# Altium PCB FD-KL-ASM-SUB-PCBA-MAIN.PcbDoc (part 2 of 4)
Units mm, origin at the board's own origin, x right, y up, seen from the top; angles counter-clockwise.
Board outline 32.6 x 105.94 mm, 4 copper layers (L1, L2, L3, L4), stack 1.514 mm thick; 339 components, 165 nets, 967 pads, 530 vias.
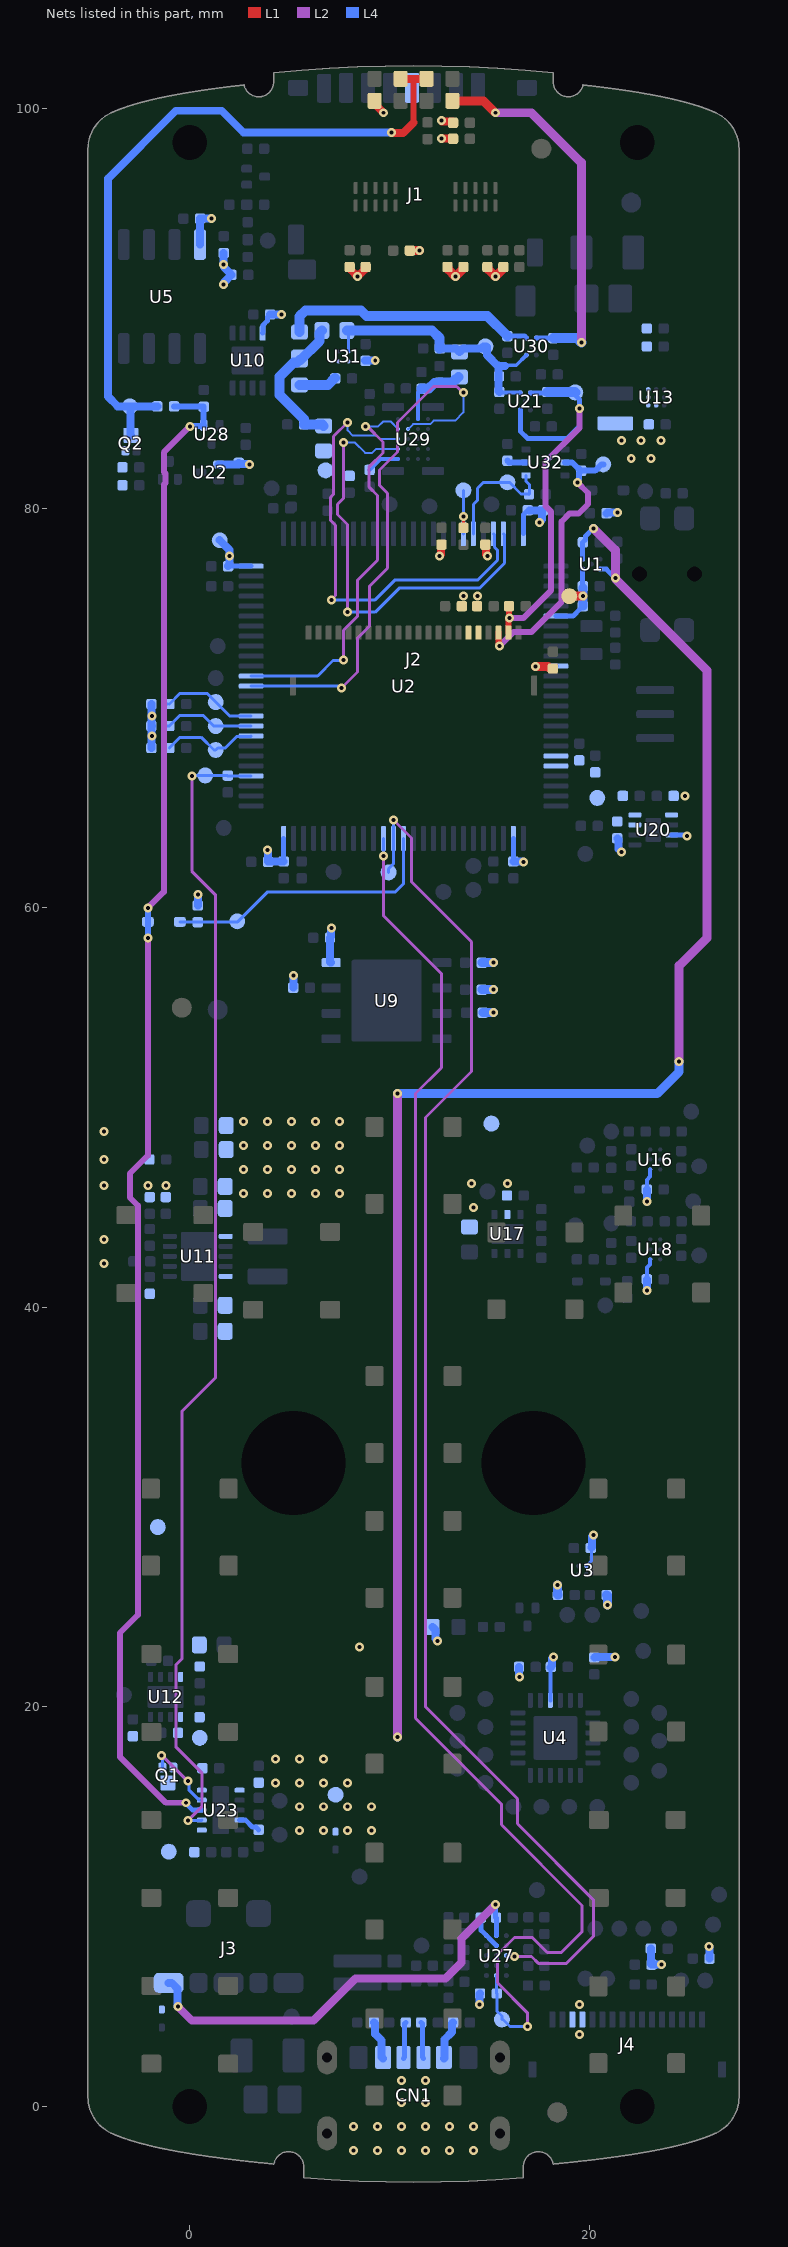
[diagram p4: the nets of this part, all layers, seen from the top]

## Part data
C2 C34: library part CMP-CAP-00023-2, "10000pF ±10% 50V Ceramic Capacitor X7R 0402 (1005 Metric)", Capacitance=10nF, Case/Package=0402, Dielectric=X7R, Dielectric Material=Ceramic, Max Operating Temperature=125°C, Min Operating Temperature=-55°C, Tolerance=10%, Voltage=50V, Contact Plating=Tin,Matte, Depth=0.5mm, Height=0.5mm, Length=1mm, Mount="Surface Mount", Packaging="Tape and Reel", Radiation Hardening=No, Termination=SMD/SMT, Voltage Rating=50V
C3 C5 C6 C7 C8 C9 C10 C11 C12 C14 C15 C18 C20 C21 C22 C23 C25 C26 C28 C29 C33 C37 C38 C39 C43 C48 C52 C56 C60 C61 C62 C65 C66 C67 C68 C69 C72 C73 C76 C77 C79 C80 C82 C87: library part CMP-CAP-00002-2, "0.1µF ±10% 16V Ceramic Capacitor X7R 0402 (1005 Metric)", Capacitance=100nF, Case Code (Imperial)=0402, Case Code (Metric)=1005, Dielectric=X7R, Dielectric Material=Ceramic, Insulation Resistance=10GR, Max Operating Temperature=125°C, Min Operating Temperature=-55°C, Package Quantity=1, Tolerance=10%, Voltage=16V, Case/Package=0402, Depth=0.5mm, Height=0.5mm, Lead Free="Lead Free", Length=1mm, Material=Ceramic, Mount="Surface Mount", Number of Pins=2, Packaging="Tape and Reel", Radiation Hardening=No, REACH SVHC="No SVHC", Termination=SMD/SMT, Thickness=0.022inch, Voltage Rating=16V, Voltage Rating (DC)=16V, Width=0.5mm
C4 C13 C40 C50 C58 C83: library part CMP-CAP-00042-1, "2.2µF ±10% 6.3V Ceramic Capacitor X5R 0402 (1005 Metric)", Capacitance=2.2uF, Case Code (Imperial)=0402, Case Code (Metric)=1005, Dielectric=X5R, Max Operating Temperature=85°C, Min Operating Temperature=-55°C, Package Quantity=1, Tolerance=10%, Voltage Rating=6.3V, Case/Package=0402, Contact Plating=Tin,Matte, Depth=0.5mm, Lead Free="Lead Free", Length=1mm, Mount="Surface Mount", Number of Pins=2, Packaging="Tape and Reel", Radiation Hardening=No, REACH SVHC="No SVHC", Termination=SMD/SMT, Thickness=0.022inch, Voltage Rating (DC)=6.3V, Width=0.02inch
C16 C35 C36 C70 C71 C74 C75 C81 C89: library part CMP-CAP-00038-1, "4.7µF ±20% 10V Ceramic Capacitor X5R 0402 (1005 Metric)", Capacitance=4.7uF, Case Code (Imperial)=0402, Case Code (Metric)=1005, Dielectric=X5R, Dielectric Material=Ceramic, Max Operating Temperature=85°C, Min Operating Temperature=-55°C, Package Quantity=1, Tolerance=20%, Voltage=10V, Case/Package=0402, Composition=Ceramic, Depth=0.5mm, Height=0.5mm, Lead Free="Lead Free", Length=1mm, Mount="Surface Mount", Packaging="Tape and Reel", Radiation Hardening=No, REACH SVHC="No SVHC", Termination=SMD/SMT, Thickness=500um, Voltage Rating=10V, Voltage Rating (DC)=10V, Weight=2.3E-05oz, Width=0.02inch
C17 C57: library part CMP-CAP-00004-1, "1000pF ±10% 1000V (1kV) Ceramic Capacitor X7R 0805 (2012 Metric)", Capacitance=1nF, Case Code (Imperial)=0805, Case Code (Metric)=2012, Dielectric=X7R, Dielectric Material=Ceramic, Insulation Resistance=100GR, Max Operating Temperature=125°C, Min Operating Temperature=-55°C, Package Quantity=4000, Tolerance=10%, Voltage Rating=1kV, Case/Package=0805, Contact Plating=Nickel,Tin,Matte, Depth=1.25mm, Dissipation Factor=10%, Height=1.3mm, Lead Free="Lead Free", Length=2.01mm, Mount="Surface Mount", Number of Pins=2, Packaging="Tape and Reel", REACH SVHC="No SVHC", Termination=SMD/SMT, Thickness=0.051inch, Voltage Rating (DC)=1kV, Width=1.25mm
C19 C24 C27 C78: library part CMP-CAP-00029-2, "22µF ±20% 6.3V Ceramic Capacitor X5R 0603 (1608 Metric)", Capacitance=22uF, Case Code (Imperial)=0603, Case Code (Metric)=1608, Dielectric=X5R, Dielectric Material=Ceramic, Max Operating Temperature=85°C, Min Operating Temperature=-55°C, Package Quantity=1, Tolerance=20%, Voltage=6.3V, Case/Package=0603, Composition=Ceramic, Depth=0.8mm, Height=0.8mm, Lead Free="Lead Free", Length=1.6mm, Mount="Surface Mount", Packaging="Tape and Reel", REACH SVHC="No SVHC", Termination=SMD/SMT, Thickness=0.039inch, Voltage Rating=6.3V, Voltage Rating (DC)=6.3V, Weight=7.1E-05oz, Width=0.031inch
C30 C31 C32: library part CMP-CAP-00044-1, "10µF ±20% 6.3V Ceramic Capacitor X5R 0603 (1608 Metric)", Capacitance=10uF, Case Code (Imperial)=0603, Case Code (Metric)=1608, Dielectric=X5R, Max Operating Temperature=85°C, Min Operating Temperature=-55°C, Package Quantity=4000, Tolerance=20%, Voltage=6.3V, Case/Package=0603, Depth=0.8mm, Height=0.8mm, Lead Free="Lead Free", Length=1.6mm, Material=Ceramic, Mount="Surface Mount", Packaging="Tape and Reel", Radiation Hardening=No, REACH SVHC="No SVHC", Termination=SMD/SMT, Thickness=0.035inch, Voltage Rating=6.3V, Voltage Rating (DC)=6.3V, Width=0.031inch
C41 C46 C51: library part CMP-CAP-00034-1, "1500pF ±10% 50V Ceramic Capacitor X7R 0402 (1005 Metric)", Capacitance=1.5nF, Case Code (Imperial)=0402, Case Code (Metric)=1005, Dielectric=X7R, Max Operating Temperature=125°C, Min Operating Temperature=-55°C, Package Quantity=1, Tolerance=10%, Voltage=50V, Case/Package=0402, Contact Plating=Tin, Depth=0.5mm, Height=0.5mm, Length=1mm, Material=Ceramic, Mount="Surface Mount", Packaging="Tape and Reel", Radiation Hardening=No, Thickness=0.022inch, Voltage Rating=50V, Width=0.02inch
C42 C47: library part CMP-CAP-00035-1, "220pF ±5% 50V Ceramic Capacitor C0G, NP0 0402 (1005 Metric)", Capacitance=220pF, Case Code (Imperial)=0402, Case Code (Metric)=1005, Dielectric=C0G, Max Operating Temperature=125°C, Min Operating Temperature=-55°C, Package Quantity=1, Ratings=AEC-Q200, Temperature Coefficient=30ppm/°C, Tolerance=5%, Voltage=50V, Case/Package=0402, Depth=0.5mm, Height=0.5mm, Lead Free="Lead Free", Length=1mm, Mount="Surface Mount", Packaging="Tape and Reel", Radiation Hardening=No, REACH SVHC="No SVHC", Termination=SMD/SMT, Thickness=0.022inch, Voltage Rating=50V, Voltage Rating (DC)=50V, Width=0.02inch
C44 C45 C59 C63 C86: library part CMP-CAP-00053-2, "1uF ±10% 25V Ceramic Capacitor X5R 0402 (1005 Metric)", Capacitance=1uF, Capacitor Type=Ceramic, Max Operating Temperature=85°C, Min Operating Temperature=-55°C, Negative Tolerance=10%, Package Shape=Rectangular, Package Style=SMTMeter, Rated DC Voltage (URdc)=25V, Temperature Characteristics Code=X5R, Dielectric Material=Ceramic, Height=0.6mm, JESD-609 Code=e3, Length=1mm, Mount="Surface Mount", Multilayer=Yes, Number of Terminals/Pins=2, Packaging="Tape and Reel", Positive Tolerance=10%, Size Code=0402, Terminal Finish=Nickel, Termination=Wraparound, Width=0.5mm
C49 C54 C55: library part CMP-CAP-00048-1, "1.5pF ±0.25pF 50V Ceramic Capacitor C0G, NP0 0402 (1005 Metric)", Capacitance=1.5pF, Case Code (Imperial)=0402, Case Code (Metric)=1005, Dielectric=C0G, Max Operating Temperature=125°C, Min Operating Temperature=-55°C, Package Quantity=1, Tolerance=20%, Voltage=50V, Case/Package=0402, Depth=0.5mm, Height=0.5mm, Lead Free="Lead Free", Length=1mm, Mount="Surface Mount", Packaging="Tape and Reel", Radiation Hardening=No, Termination=SMD/SMT, Thickness=0.022inch, Voltage Rating=50V, Voltage Rating (DC)=50V, Width=0.02inch
C53 C84 C88: library part CMP-CAP-00056-1, "0.047µF ±10% 10V Ceramic Capacitor X7R 0402 (1005 Metric)", Capacitance=47nF, Capacitor Type=Ceramic, Max Operating Temperature=125°C, Min Operating Temperature=-55°C, Negative Tolerance=10%, Package Shape=Rectangular, Package Style=SMTMeter, Rated DC Voltage (URdc)=10V, Temperature Characteristics Code=X7R, Dielectric Material=Ceramic, Height=0.5mm, JESD-609 Code=e3, Length=1mm, Mount="Surface Mount", Multilayer=Yes, Number of Terminals/Pins=2, Packaging="Tape and Reel", Positive Tolerance=10%, Size Code=0402, Terminal Finish=Nickel, Termination=Wraparound, Width=0.5mm
C64: library part CMP-CAP-00072-1, "0.033µF ±10% 25V Ceramic Capacitor X7R 0402 (1005 Metric)", Capacitance=33nF, Capacitor Type=Ceramic, Manufacturer Series=C0402C333K3RACTU, Max Operating Temperature=125°C, Min Operating Temperature=-55°C, Negative Tolerance=10%, Package Shape=Rectangular, Package Style=SMTMeter, Rated DC Voltage (URdc)=25V, Temperature Characteristics Code=X7R, Dielectric Material=Ceramic, Height=0.5mm, JESD-609 Code=e3, Length=1mm, Mount="Surface Mount", Multilayer=Yes, Number of Terminals/Pins=2, Packaging="Tape and Reel", Positive Tolerance=10%, REACH SVHC=Yes, RoHS Compliant=Yes, Series=C(SIZE)C(X7R), Size Code=0402, Terminal Finish=Nickel, Termination=Wraparound, Width=0.5mm
C85: library part CMP-CAP-00007-2, "10µF ±20% 10V Ceramic Capacitor X5R 0402 (1005 Metric)", Capacitance=10uF, Case Code (Imperial)=0402, Case Code (Metric)=1005, Dielectric=X5R, Max Operating Temperature=85°C, Min Operating Temperature=-55°C, Package Quantity=1, Tolerance=20%, Voltage Rating=10V, Case/Package=0402, Contact Plating=Tin, Depth=0.5mm, Lead Free="Lead Free", Length=1mm, Mount="Surface Mount", Packaging="Tape and Reel", Radiation Hardening=No, Termination=Wraparound, Thickness=0.028inch, Width=0.02inch
CN1: library part CMP-CON-0075-1, "USB-C (USB TYPE-C) - Receptacle Connector 24 (6+18 Dummy) Position Surface Mount, Right Angle; Through Hole", ComponentLink1Description=Datasheet, ComponentLink1URL=https://www.cuidevices.com/product/resource/ujc-hp-3-smt-tr.pdf
D1 D4: library part CMP-DIO-0007-1, "Diode Schottky 30V 30mA (DC) Surface Mount SOD-523", Average Rectified Current=30mA, Capacitance=2.5pF, Case/Package=SOD-523-2, Forward Voltage=370mV, Max Forward Surge Current (Ifsm)=500mA, Max Operating Temperature=150°C, Max Repetitive Reverse Voltage (Vrrm)=40V, Max Reverse Leakage Current=500nA, Max Reverse Voltage (DC)=30V, Min Operating Temperature=-55°C, Package Quantity=1, Power Dissipation=200mW, ComponentLink1Description=Datasheet, ComponentLink1URL=https://www.onsemi.cn/PowerSolutions/document/RB751S40T1-D.PDF, Contact Plating=Tin,Matte, Current Rating=30mA, Element Configuration=Single, Forward Current=30mA, Height=0.7mm, Lead Free="Lead Free", Length=1.3mm, Max Surge Current=500mA, Number of Pins=2, Output Current=30mA, Packaging="Tape and Reel", Peak Non-Repetitive Surge Current=500mA, Peak Reverse Current=500nA, Polarity=Standard, Radiation Hardening=No, REACH SVHC="No SVHC", Voltage Rating (DC)=40V, Width=0.9mm
D2 D3: library part CMP-DIO-0004-4, "Zener Diode 15V 350mW ±2% Surface Mount SOD-523", Case/Package=SOD-523-2, Forward Voltage=900mV, Max Operating Temperature=150°C, Max Power Dissipation=350mW, Max Reverse Leakage Current=50nA, Min Operating Temperature=-65°C, Package Quantity=3000, Test Current=5mA, Tolerance=2%, Zener Voltage=15V, Contact Plating=Tin,Matte, Element Configuration=Single, ESD Protection=No, Impedance=15R, Mount="Surface Mount", Number of Pins=2, Packaging="Tape and Reel", Peak Reverse Current=50nA, Voltage Tolerance=2%, Weight=3.5E-05oz, Zener Current=5mA
D5 D6: library part CMP-DIO-0013-1, "12V Clamp 9A (8/20µs) Ipp Tvs Diode Surface Mount SOD-923", Max Operating Temperature=150°C, Max Power Dissipation=250mW, Min Breakdown Voltage=6.2V, Min Operating Temperature=-65°C, Non-rep Peak Rev Power Dis-Max=108W, Package Body Material=Plastic, Package Shape=Rectangular, Package Style="SMALL OUTLINEMeter", Rep Pk Reverse Voltage-Max=5.5V, ComponentLink1Description=Datasheet, ComponentLink1URL=https://www.diodes.com/assets/Datasheets/D5V0M1U2S9.pdf, Diode Element Material=SILICON, Diode Type="TRANS VOLTAGE SUPPRESSOR", JESD-30 Code=R-PDSO-F2, Number of Elements=1, Number of Terminals/Pins=2, Polarity=Unidirectional, REACH SVHC=Yes, RoHS Compliant=Yes, Surface Mount=Yes, Technology=AVALANCHE, Terminal Form=Flat, Terminal Position=DUAL
FID1 FID2 FID3 FID4 FID5 FID6: library part CMP-MECH-00000-3, "Fiducial - Round 1x2mm", Pins=0
J1: library part CMP-CON-0078-2, "10 (8 + 2) Position Card Connector Secure Digital - microSD™ Surface Mount, Right Angle Gold", ComponentLink1Description=Drawing, ComponentLink1URL=https://media.digikey.com/pdf/Data%20Sheets/Amphenol%20PDFs/114-00841-68.pdf
J2: library part CMP-CON-0074-1, "22 Position FFC, FPC Connector Contacts, Top and Bottom 0.020\" (0.50mm) Surface Mount, Right Angle", Insulation Color=White, Max Operating Temperature=85°C, Min Operating Temperature=-40°C, Rated Current (Signal)=500mA, Body Breadth=0.039inch, Body Depth=0.142inch, Body Length=0.5inch, Connector Type="CARD EDGE CONNECTOR", Contact Finish - Mating="NOT SPECIFIED", Contact Pattern=RECTANGULAR, Contact Style="BELLOWED TYPE", Insulation Material=Polymer, Mating Contact Pitch=0.02inch, Mount=Board, Mounting Option 1=LOCKING, Mounting Style="RIGHT ANGLE", Number of Contacts=22, Number Of PCB Rows=1, Number of Rows Loaded=1, PCB Contact Pattern=RECTANGULAR, Plating Thickness=39uin, REACH SVHC=Yes, Reliability=COMMERCIAL, RoHS Compliant=Yes, Terminal Pitch=0.508mm, Termination=SMD/SMT
J3: library part CMP-CON-0077-1, "3 Position Spring Battery Contact Connector Surface Mount, Right Angle", Manufacturer Series=9155, ComponentLink1Description=Datasheet, ComponentLink1URL=https://datasheets.avx.com/RightAngle3.0mmPictch_9155-300.pdf, Connector Type=PCB, Contact Finish - Mating="GOLD (16)", Contact Finish - Termination="PURE TIN", DIN Conformance=No, IEC Conformance=No, JESD-609 Code=e3, MIL Conformance=No, Option="General Purpose", REACH SVHC=Yes, RoHS Compliant=Yes
J4: library part CMP-CON-0062-2, "16 Position FFC, FPC Connector Contacts, Top and Bottom 0.020\" (0.50mm) Surface Mount, Right Angle", Manufacturer Series=FH34SRJ, Connector Type="CARD EDGE CONNECTOR", REACH SVHC=Yes, RoHS Compliant=Yes
L1: library part CMP-IND-0022-1, "1.5 µH Shielded Wirewound Inductor 2.4 A 78mOhm Max 1008 (2520 Metric)", Inductor Type="GENERAL PURPOSE INDUCTOR", REACH SVHC="No SVHC", RoHS Compliant=Yes
L2: library part CMP-IND-0023-1, "1 µH Shielded Wirewound Inductor 2.2 A 75mOhm Max 0806 (2016 Metric)", Case/Size Code=0806, DC Resistance (DCR)=75mR, Inductance-Nom (L)=1uH, Inductor Type="GENERAL PURPOSE INDUCTOR", Max Operating Temperature=105°C, Min Operating Temperature=-40°C, Package Height=1mm, Package Length=2mm, Package Style=SMTMeter, Package Width=1.6mm, Rated Current-Max=2.2A, Tolerance=20%, Construction="Wirewound Chip", Core Material=Metal, Packaging="Tape and Reel", REACH SVHC=Yes, RoHS Compliant=Yes
L4: library part CMP-IND-0005-1, "22µH Shielded Multilayer Inductor 150mA 2.4Ohm 0603 (1608 Metric)", Case/Package=0603, Current Rating=150mA, DC Resistance (DCR)=3.12R, Inductance=22uH, Max Operating Temperature=125°C, Min Operating Temperature=-55°C, Saturation Current=55mA, Test Frequency=2MHz, Tolerance=20%, Core Material=Ferrite, Height - Seated (Max)=0.037inch, Length=0.063inch, Mount="Surface Mount", Packaging="Tape and Reel", Shielding=Shielded, Width=0.031inch
L5 L6: library part CMP-FLT-0001-1, "FERRITE BEAD 220 OHM 0603 1LN", Case Code (Imperial)=0603, Case Code (Metric)=1608, Current Rating=1.4A, DC Resistance (DCR)=100mR, Max Operating Temperature=125°C, Min Operating Temperature=-55°C, Package Quantity=4000, Ratings=AEC-Q200, Test Frequency=100MHz, Tolerance=25%, Case/Package=0603, ComponentLink1Description=Datasheet, ComponentLink1URL=https://www.murata.com/en-us/products/productdata/8796737273886/QNFA9101.pdf, Core Material=Ferrite, Depth=0.95mm, Height=0.037inch, Impedance=220R, Lead Free="Lead Free", Length=0.063inch, Max Current Rating=1.4A, Max DC Current=1.4A, Mount="Surface Mount", Number of Circuits=1, Number of Lines=1, Packaging="Tape and Reel", REACH SVHC="No SVHC", Termination=SMD/SMT, Width=0.8mm
LED1: library part CMP-007-00039-8, "Red 631nm LED Indication - Discrete 2V 0603 (1608 Metric)", Case Code (Imperial)=0603, Case Code (Metric)=1608, Color=Red, Forward Current=30mA, Forward Voltage=2V, Lens Color=Colorless, Max Operating Temperature=85°C, Min Operating Temperature=-55°C, Package Quantity=1, Power Dissipation=75mW, Reverse Voltage=5V, Test Current=20mA, Case/Package=0603, Depth=0.8mm, Dominant Wavelength=631nm, Height=0.55mm, Illumination Color=Red, Lead Free="Lead Free", Length=1.6mm, Lens Style=Clear,Diffused,Colorless,Rectangular, Lens Transparency=Clear, Luminous Intensity=54mcd, Mount="Surface Mount", Number of Elements=1, Number of LEDs=1, Number of Pins=2, Packaging="Tape and Reel", Power Rating=75mW, Radiation Hardening=No, Viewing Angle=130°, Voltage=2V, Wavelength=639nm, Width=0.8mm
LED2: library part CMP-007-00045-4, "Blue 466nm LED Indication - Discrete 2.8V 2-SMD 0603"
LED8 LED9: library part CMP-007-00047-1, "Amber 605nm LED Indication - Discrete 1.9V 0603 (1608 Metric)", Colour=Amber, Forward Voltage=1.9V, ComponentLink1Description=Datasheet, ComponentLink1URL=http://www.inolux-corp.com/datasheet/SMDLED/Mono%20Color%20Top%20View/IN-S63AT%20Series_V1.1.pdf
LED10: library part CMP-007-00044-5, "White - LED Indication - Discrete 3V 0603 (1608 Metric)", Case Code (Imperial)=0603, Case Code (Metric)=1608, Color=White, Forward Voltage=3V, Lens Color=Clear, Test Current=5mA, Case/Package=0603, ComponentLink1Description=Datasheet, ComponentLink1URL=http://www.inolux-corp.com/datasheet/SMDLED/Mono%20Color%20Top%20View/IN-S63AT%20Series_V1.1.pdf, Height=0.4mm, Length=1.6mm, Lens Size=0.8mm, Lens Style=Flat, Lens Transparency=Clear, Luminous Intensity=900mcd, Mount="Surface Mount", Packaging="Tape and Reel", Viewing Angle=120°, Width=0.8mm
Q1 Q2: library part CMP-TRNST-0008-1, "P-Channel 20 V 1.5A (Ta) 500mW (Ta) Surface Mount 3-DFN1411 (1.4x1.1)", Case Connection=DRAIN, Drain Current-Max (Abs) (ID)=1.5A, Drain-source On Resistance-Max=150mR, DS Breakdown Voltage-Min=20V, Max Operating Temperature=150°C, Operating Mode="ENHANCEMENT MODE", Package Body Material=Plastic, Package Shape=Rectangular, Package Style="CHIP CARRIERMeter", Peak Reflow Temperature (Cel)=260°C, Power Dissipation-Max (Abs)=500mW, Time @ Peak Reflow Temperature-Max (s)=40s, Additional Feature="HIGH RELIABILITY", ComponentLink1Description=Datasheet, ComponentLink1URL=https://www.diodes.com/assets/Datasheets/ds31091.pdf, Drain Current-Max (ID)=1.5A, FET Technology="METAL-OXIDE SEMICONDUCTOR", JESD-609 Code=e4, Moisture Sensitivity Level=1, Number of Elements=1, Number of Terminals/Pins=3, Polarity/Channel Type=P-CHANNEL, Qualification Status="Not Qualified", REACH SVHC=Yes, RoHS Compliant=Yes, Surface Mount=Yes, Terminal Finish=Nickel, Terminal Form="No Lead", Terminal Position=BOTTOM, Transistor Application=SWITCHING, Transistor Element Material=SILICON
R2 R3 R16 R17 R18 R19 R20 R21 R22 R33 R37 R46 R51 R58 R63 R64 R67 R68 R70 R82: library part CMP-RES-00006-3, "10 kOhms ±1% 0.063W, 1/16W Chip Resistor 0402 (1005 Metric)", Case Code (Imperial)=0402, Case Code (Metric)=1005, Max Operating Temperature=155°C, Max Power Dissipation=63mW, Min Operating Temperature=-55°C, Package Quantity=10, Resistance=10k, Temperature Coefficient=100ppm/°C, Tolerance=1%, Voltage Rating=50V, Case/Package=0402, Composition="Thick Film", Contact Plating=Tin, Depth=0.5mm, Features="Automotive AEC-Q200", Height=0.35mm, Lead Free="Lead Free", Length=1mm, Military Standard=Not, Mount="Surface Mount", Number of Pins=2, Number of Terminations=2, Packaging="Tape and Reel", Power Rating=63mW, Radiation Hardening=No, REACH SVHC=Unknown, Termination=SMD/SMT, Voltage Rating (DC)=50V, Weight=2.3E-05oz, Width=0.02inch
R4 R30 R38 R39 R40 R42 R47 R56 R65 R69 R90 R91: library part CMP-RES-00003-3, "100 kOhms ±1% 0.063W, 1/16W Chip Resistor 0402 (1005 Metric) Automotive AEC-Q200 Thick Film", Case Code (Imperial)=0402, Case Code (Metric)=1005, Max Operating Temperature=155°C, Max Power Dissipation=63mW, Min Operating Temperature=-55°C, Package Quantity=10000, Resistance=100k, Temperature Coefficient=100ppm/°C, Tolerance=1%, Voltage Rating=50V, Case/Package=0402, Composition="Thick Film", Contact Plating=Tin, Depth=0.5mm, Features="Automotive AEC-Q200", Height=0.35mm, Lead Free="Lead Free", Length=1mm, Military Standard=Not, Mount="Surface Mount", Number of Pins=2, Number of Terminations=2, Packaging="Tape and Reel", Power Rating=63mW, Radiation Hardening=No, REACH SVHC=Unknown, Termination=SMD/SMT, Voltage Rating (DC)=50V, Weight=2.3E-05oz, Width=0.02inch
R5 R41 R74: library part CMP-RES-00085-1, "15 Ohms ±1% 0.063W, 1/16W Chip Resistor 0402 (1005 Metric)", Case/Package=0402, Power=63mW, Resistance=15, Resistor Type="FIXED RESISTOR", Tolerance=1%, Voltage Rating=50V, Number of Terminals/Pins=2, REACH SVHC=Yes, RoHS Compliant=Yes
R6 R25 R32 R52: library part CMP-RES-00073-1, "21.5 kOhms ±1% 0.063W, 1/16W Chip Resistor 0402 (1005 Metric)", Max Operating Temperature=155°C, Min Operating Temperature=-55°C, Package Height=0.35mm, Package Length=1mm, Package Shape=Rectangular, Package Style=SMTMeter, Package Width=0.5mm, Rated Power Dissipation (P)=63mW, Rated Temperature=70°C, Resistance=21.5k, Resistor Type="FIXED RESISTOR", Temperature Coefficient=100ppm/°C, Tolerance=1%, Voltage Rating=50V, Construction=Chip, JESD-609 Code=e3, Mount="Surface Mount", Number of Terminals/Pins=2, Packaging="Tape and Reel", Reference Standard=AEC-Q200, Size Code=0402, Technology="METAL GLAZE/THICK FILM", Terminal Finish=Nickel, Termination=Wraparound, Working Voltage=50V
R7 R12 R13 R14 R15 R26 R35 R36 R55 R59 R60 R66: library part CMP-RES-00002-3, "4.7 kOhms ±1% 0.063W, 1/16W Chip Resistor 0402 (1005 Metric) Automotive AEC-Q200 Thick Film", Case Code (Imperial)=0402, Case Code (Metric)=1005, Max Operating Temperature=155°C, Max Power Dissipation=63mW, Min Operating Temperature=-55°C, Package Quantity=10, Resistance=4.7k, Temperature Coefficient=100ppm/°C, Tolerance=1%, Voltage Rating=50V, Case/Package=0402, Composition="Thick Film", Contact Plating=Tin, Depth=0.5mm, Features="Automotive AEC-Q200", Height=0.35mm, Lead Free="Lead Free", Length=1mm, Military Standard=Not, Mount="Surface Mount", Number of Terminations=2, Packaging="Tape and Reel", Power Rating=63mW, Radiation Hardening=No, REACH SVHC=Unknown, Termination=SMD/SMT, Voltage Rating (DC)=50V, Weight=2.3E-05oz, Width=0.5mm
R8 R24: library part CMP-RES-00004-3, "1 MOhms ±5% 0.25W, 1/4W Chip Resistor 1206 (3216 Metric) Moisture Resistant Thick Film", Case Code (Imperial)=1206, Case Code (Metric)=3216, Max Operating Temperature=155°C, Min Operating Temperature=-55°C, Package Quantity=5000, Power Rating=250mW, Resistance=1M, Temperature Coefficient=200ppm/°C, Tolerance=5%, Voltage Rating=200V, Case/Package=1206, Composition="Thick Film", Contact Plating=Tin, Depth=1.6mm, Height=0.6mm, Length=3.2mm, Military Standard=Not, Mount="Surface Mount", Packaging="Tape and Reel", Radiation Hardening=No, REACH SVHC="No SVHC", Termination=SMD/SMT, Thickness=610um, Voltage Rating (DC)=200V, Width=1.6mm
R9 R53 R54 R57 R61 R62 R73 R75: library part CMP-RES-00014-4, "0 Ohms Jumper 0.063W, 1/16W Chip Resistor 0402 (1005 Metric)", Case Code (Imperial)=0402, Case Code (Metric)=1005, Max Operating Temperature=155°C, Max Power Dissipation=63mW, Min Operating Temperature=-55°C, Package Quantity=1, Power Rating=62.5mW, Resistance=0, Temperature Coefficient=200ppm/°C, Tolerance=5%, Voltage Rating=50V, Case/Package=0402, Composition="Thick Film", Contact Plating=Tin,Matte, Depth=0.5mm, Features="Moisture Resistant", Height=0.016inch, Lead Free="Lead Free", Length=1mm, Military Standard=Not, Number of Terminations=2, Packaging="Tape and Reel", Radiation Hardening=No, REACH SVHC=Unknown, Termination=SMD/SMT, Width=0.02inch
R10 R11 R27 R34: library part CMP-RES-00049-1, "2.2 kOhms ±1% 0.063W, 1/16W Chip Resistor 0402 (1005 Metric)", Case Code (Imperial)=0402, Case Code (Metric)=1005, Max Operating Temperature=155°C, Min Operating Temperature=-55°C, Power Rating=63mW, Resistance=2.2k, Temperature Coefficient=100ppm/°C, Tolerance=1%, Voltage Rating=50V, Case/Package=0402, Composition="Thick Film", Depth=0.5mm, Height=0.35mm, Lead Free="Lead Free", Length=1mm, Military Standard=Not, Packaging="Tape and Reel", REACH SVHC=Unknown, Termination=SMD/SMT, Weight=2.3E-05oz, Width=0.5mm
R23 R28: library part CMP-RES-00060-1, "5.1 kOhms ±1% 0.063W, 1/16W Chip Resistor 0402 (1005 Metric)", Case Code (Imperial)=0402, Case Code (Metric)=1005, Max Operating Temperature=155°C, Max Power Dissipation=63mW, Min Operating Temperature=-55°C, Package Quantity=10, Resistance=5.1k, Temperature Coefficient=100ppm/°C, Tolerance=1%, Voltage Rating=50V, Case/Package=0402, Composition="Thick Film", Contact Plating=Tin, Depth=0.5mm, Features="Automotive AEC-Q200", Height=0.35mm, Lead Free="Lead Free", Length=1mm, Military Standard=Not, Number of Terminations=2, Packaging="Tape and Reel", Power Rating=63mW, Radiation Hardening=No, REACH SVHC=Unknown, Termination=SMD/SMT, Voltage Rating (DC)=50V, Weight=2.3E-05oz, Width=0.02inch
R29 R31 R45 R50: library part CMP-RES-00039-1, "220 kOhms ±1% 0.063W, 1/16W Chip Resistor 0402 (1005 Metric)", Case Code (Imperial)=0402, Case Code (Metric)=1005, Max Operating Temperature=155°C, Max Power Dissipation=63mW, Min Operating Temperature=-55°C, Package Quantity=10, Resistance=220k, Temperature Coefficient=100ppm/°C, Tolerance=1%, Voltage Rating=50V, Case/Package=0402, Composition="Thick Film", Contact Plating=Tin, Depth=0.5mm, Features="Automotive AEC-Q200", Height=0.35mm, Lead Free="Lead Free", Length=1mm, Military Standard=Not, Mount="Surface Mount", Number of Terminations=2, Packaging="Tape and Reel", Power Rating=63mW, Radiation Hardening=No, REACH SVHC=Unknown, Termination=SMD/SMT, Voltage Rating (DC)=50V, Weight=2.3E-05oz, Width=0.5mm
R43 R48: library part CMP-RES-00042-1, "5.1 MOhms ±1% 0.1W, 1/10W Chip Resistor 0402 (1005 Metric)", Case Code (Imperial)=0402, Case Code (Metric)=1005, Max Operating Temperature=155°C, Max Power Dissipation=63mW, Min Operating Temperature=-55°C, Resistance=5.1M, Temperature Coefficient=100ppm/°C, Tolerance=1%, Voltage Rating=50V, Case/Package=0402, Composition="Thick Film", Depth=0.5mm, Features="Automotive AEC-Q200", Height=0.016inch, Lead Free="Lead Free", Length=1mm, Military Standard=Not, Number of Terminations=2, Packaging="Tape and Reel", Power Rating=63mW, REACH SVHC=Unknown, Termination=SMD/SMT, Voltage Rating (DC)=50V, Weight=2.3E-05oz, Width=0.02inch
R44 R49: library part CMP-RES-00012-3, "470 kOhms ±1% 0.063W, 1/16W Chip Resistor 0402 (1005 Metric)", Case Code (Imperial)=0402, Case Code (Metric)=1005, Max Operating Temperature=155°C, Max Power Dissipation=63mW, Min Operating Temperature=-55°C, Package Quantity=10, Resistance=470k, Temperature Coefficient=100ppm/°C, Tolerance=1%, Voltage Rating=50V, Case/Package=0402, Composition="Thick Film", Contact Plating=Tin, Depth=0.5mm, Features="Automotive AEC-Q200", Height=0.35mm, Length=1mm, Military Standard=Not, Mount="Surface Mount", Number of Pins=2, Number of Terminations=2, Packaging="Tape and Reel", Power Rating=63mW, Radiation Hardening=No, REACH SVHC=Unknown, Termination=SMD/SMT, Weight=2.3E-05oz, Width=0.02inch
R71 R72 R79: library part CMP-RES-00053-1, "0 Ohms Jumper 0.1W, 1/10W Chip Resistor 0603 (1608 Metric)", Case Code (Imperial)=0603, Case Code (Metric)=1608, Max Operating Temperature=155°C, Min Operating Temperature=-55°C, Package Quantity=5000, Power Rating=100mW, Resistance=0, Temperature Coefficient=200ppm/°C, Tolerance=1%, Voltage Rating=50V, Case/Package=0603, Composition="Thick Film", Contact Plating=Tin,Matte, Depth=0.8mm, Height=0.45mm, Lead Free="Lead Free", Length=1.6mm, Military Standard=Not, Number of Pins=2, Packaging="Tape and Reel", Radiation Hardening=No, REACH SVHC="No SVHC", Termination=SMD/SMT, Voltage Rating (DC)=50V, Width=0.8mm
R76: library part CMP-RES-00016-4, "1.8 MOhms ±1% 0.063W, 1/16W Chip Resistor 0402 (1005 Metric)", Case Code (Imperial)=0402, Case Code (Metric)=1005, Max Operating Temperature=155°C, Min Operating Temperature=-55°C, Package Quantity=10000, Power Rating=63mW, Resistance=1.8M, Temperature Coefficient=100ppm/°C, Tolerance=1%, Voltage Rating=50V, Case/Package=0402, Composition="Thick Film", Contact Plating=Tin, Depth=0.5mm, Height=0.35mm, Lead Free="Lead Free", Length=1mm, Military Standard=Not, Mount="Surface Mount", Number of Pins=2, Packaging="Tape and Reel", Radiation Hardening=No, REACH SVHC=Unknown, Termination=SMD/SMT, Voltage Rating (DC)=50V, Weight=2.3E-05oz, Width=0.5mm
R77 R78 R84: library part CMP-RES-00000-3, "1 kOhms ±0.5% 0.063W, 1/16W Chip Resistor 0402 (1005 Metric) Automotive AEC-Q200 Thin Film", Case Code (Imperial)=0402, Case Code (Metric)=1005, Max Operating Temperature=155°C, Max Power Dissipation=63mW, Min Operating Temperature=-55°C, Package Quantity=10000, Power Rating=62.5mW, Resistance=1k, Temperature Coefficient=25ppm/°C, Tolerance=0.5%, Voltage Rating=25V, Case/Package=0402, Composition="Metal Film,Thin Film", Contact Plating=Tin, Depth=0.5mm, Height=0.016inch, Lead Free="Lead Free", Length=1mm, Military Standard=Not, Mount="Surface Mount", Number of Terminations=2, Packaging="Tape and Reel", Radiation Hardening=No, REACH SVHC="No SVHC", Termination=SMD/SMT, Voltage Rating (DC)=25V, Weight=2.8E-05oz, Width=0.5mm
R83: library part CMP-RES-00026-3, "18.2 kOhms ±1% 0.063W, 1/16W Chip Resistor 0402 (1005 Metric)", Case Code (Imperial)=0402, Case Code (Metric)=1005, Max Operating Temperature=155°C, Max Power Dissipation=63mW, Min Operating Temperature=-55°C, Package Quantity=10, Resistance=18.2k, Temperature Coefficient=100ppm/°C, Tolerance=1%, Voltage Rating=50V, Case/Package=0402, Composition="Thick Film", Contact Plating=Tin, Depth=0.5mm, Features="Automotive AEC-Q200", Height=0.35mm, Lead Free="Lead Free", Length=1mm, Military Standard=Not, Mount="Surface Mount", Number of Pins=2, Number of Terminations=2, Packaging="Tape and Reel", Power Rating=63mW, Radiation Hardening=No, REACH SVHC=Unknown, Termination=SMD/SMT, Voltage Rating (DC)=50V, Weight=2.3E-05oz, Width=0.02inch
R85: library part CMP-SEN-0009-2, "NTC Thermistor 10k 0402 (1005 Metric)", Resistance=10k, B Constant [25/50°C]="3380 K"
R86: library part CMP-SEN-0016-1, "NTC Thermistor 47k 0402 (1005 Metric)", Manufacturer Series=NCP, Max Operating Temperature=125°C, Min Operating Temperature=-40°C, Package Shape=Rectangular, Rated Power Dissipation (P)=100mW, Rated Temperature=25°C, Resistance=47kR, Resistor Type="NTC THERMISTOR", Tolerance=1%, B Constant [25/50°C]=4050K, ComponentLink1Description=Datasheet, ComponentLink1URL=https://www.murata.com/~/media/webrenewal/support/library/catalog/products/thermistor/ntc/r44e.ashx?la=en-us, JESD-609 Code=e3, Mount="Surface Mount", Number of Terminals/Pins=2, Packaging="Tape and Reel", REACH SVHC=Yes, RoHS Compliant=Yes, Terminal Finish=Nickel, Terminal Placement="Dual Ended", Termination=Wraparound, Thermistor Application="TEMPERATURE COMPENSATION"
R87 R88: library part CMP-RES-00056-1, "100 Ohms ±1% 0.063W, 1/16W Chip Resistor 0402 (1005 Metric)  Thick Film", Case Code (Imperial)=0402, Case Code (Metric)=1005, Max Operating Temperature=155°C, Max Power Dissipation=63mW, Min Operating Temperature=-55°C, Package Quantity=10, Resistance=100, Temperature Coefficient=100ppm/°C, Tolerance=1%, Voltage Rating=50V, Case/Package=0402, Composition="Thick Film", Contact Plating=Tin, Depth=0.5mm, Features="Automotive AEC-Q200", Height=0.35mm, Lead Free="Lead Free", Length=1mm, Military Standard=Not, Mount="Surface Mount", Number of Terminations=2, Packaging="Tape and Reel", Power Rating=63mW, Radiation Hardening=No, REACH SVHC=Unknown, Termination=SMD/SMT, Voltage Rating (DC)=50V, Weight=2.3E-05oz, Width=0.02inch, Working Voltage=50V
R89: library part CMP-RES-00084-2, "Fixed Resistor, Metal Foil, 1W, 0.01ohm, 1% +/-Tol, 35ppm/Cel, Surface Mount, 1206", Max Operating Temperature=155°C, Min Operating Temperature=-55°C, Package Height=0.5mm, Package Length=3.2mm, Package Style=SMTMeter, Package Width=1.6mm, Rated Power Dissipation (P)=1W, Rated Temperature=70°C, Resistance=10m, Resistor Type="FIXED RESISTOR", Temperature Coefficient=50ppm/°C, Tolerance=1%, Voltage Rating=50V, ComponentLink1Description=Datasheet, ComponentLink1URL=https://www.susumu.co.jp/common/pdf/n_catalog_partition20_en.pdf, Construction=Rectangular, JESD-609 Code=e3, Mount="Surface Mount", Number of Terminals/Pins=4, Packaging="Tape and Reel", REACH SVHC=Yes, Reference Standard=AEC-Q200, RoHS Compliant=Yes, Size Code=1206, Technology="METAL FOIL", Terminal Finish=Tin, Termination="One Surface"